# Altium PCB MDK_UltraZohm_Adapter.PcbDoc
Units mm, origin at the board's own origin, x right, y up, seen from the top; angles counter-clockwise.
Board outline 65 x 43.95 mm, 2 copper layers (Top Layer, Bottom Layer), stack 0.212 mm thick; 42 components, 186 nets, 360 pads, 118 vias.
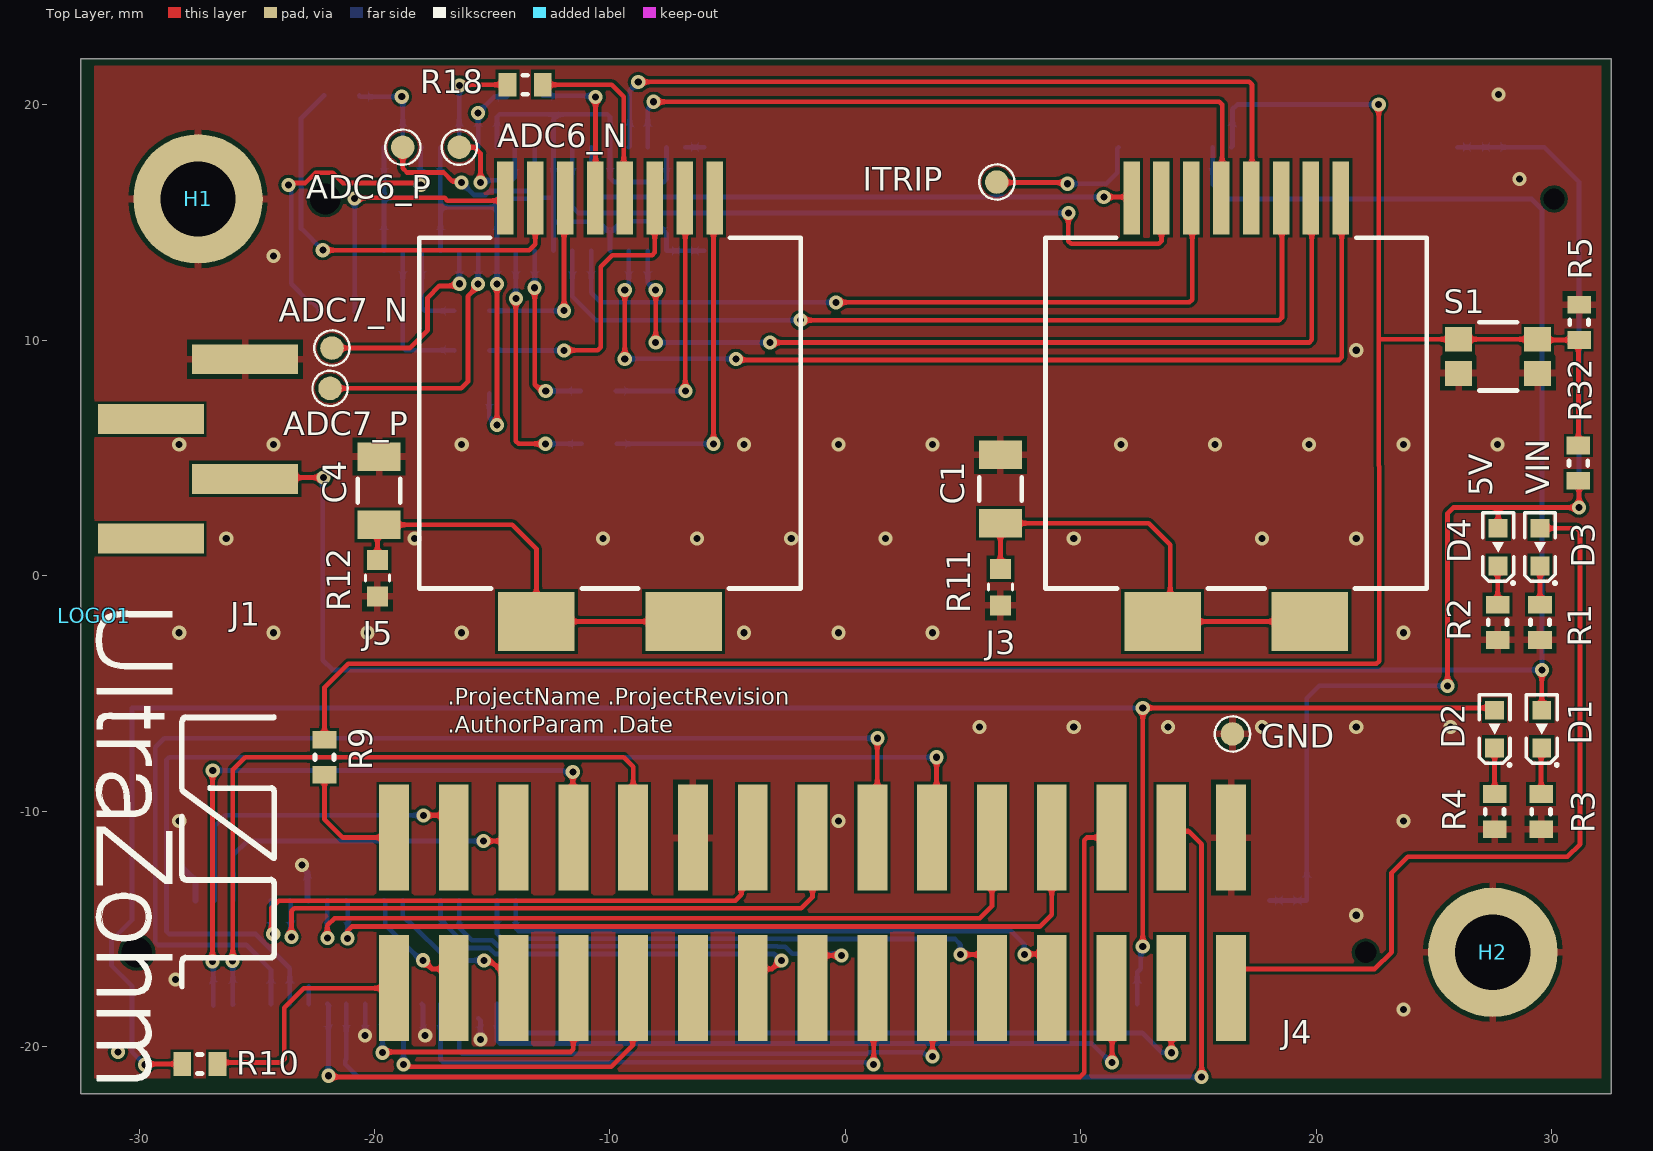
[diagram p0: Top Layer view]
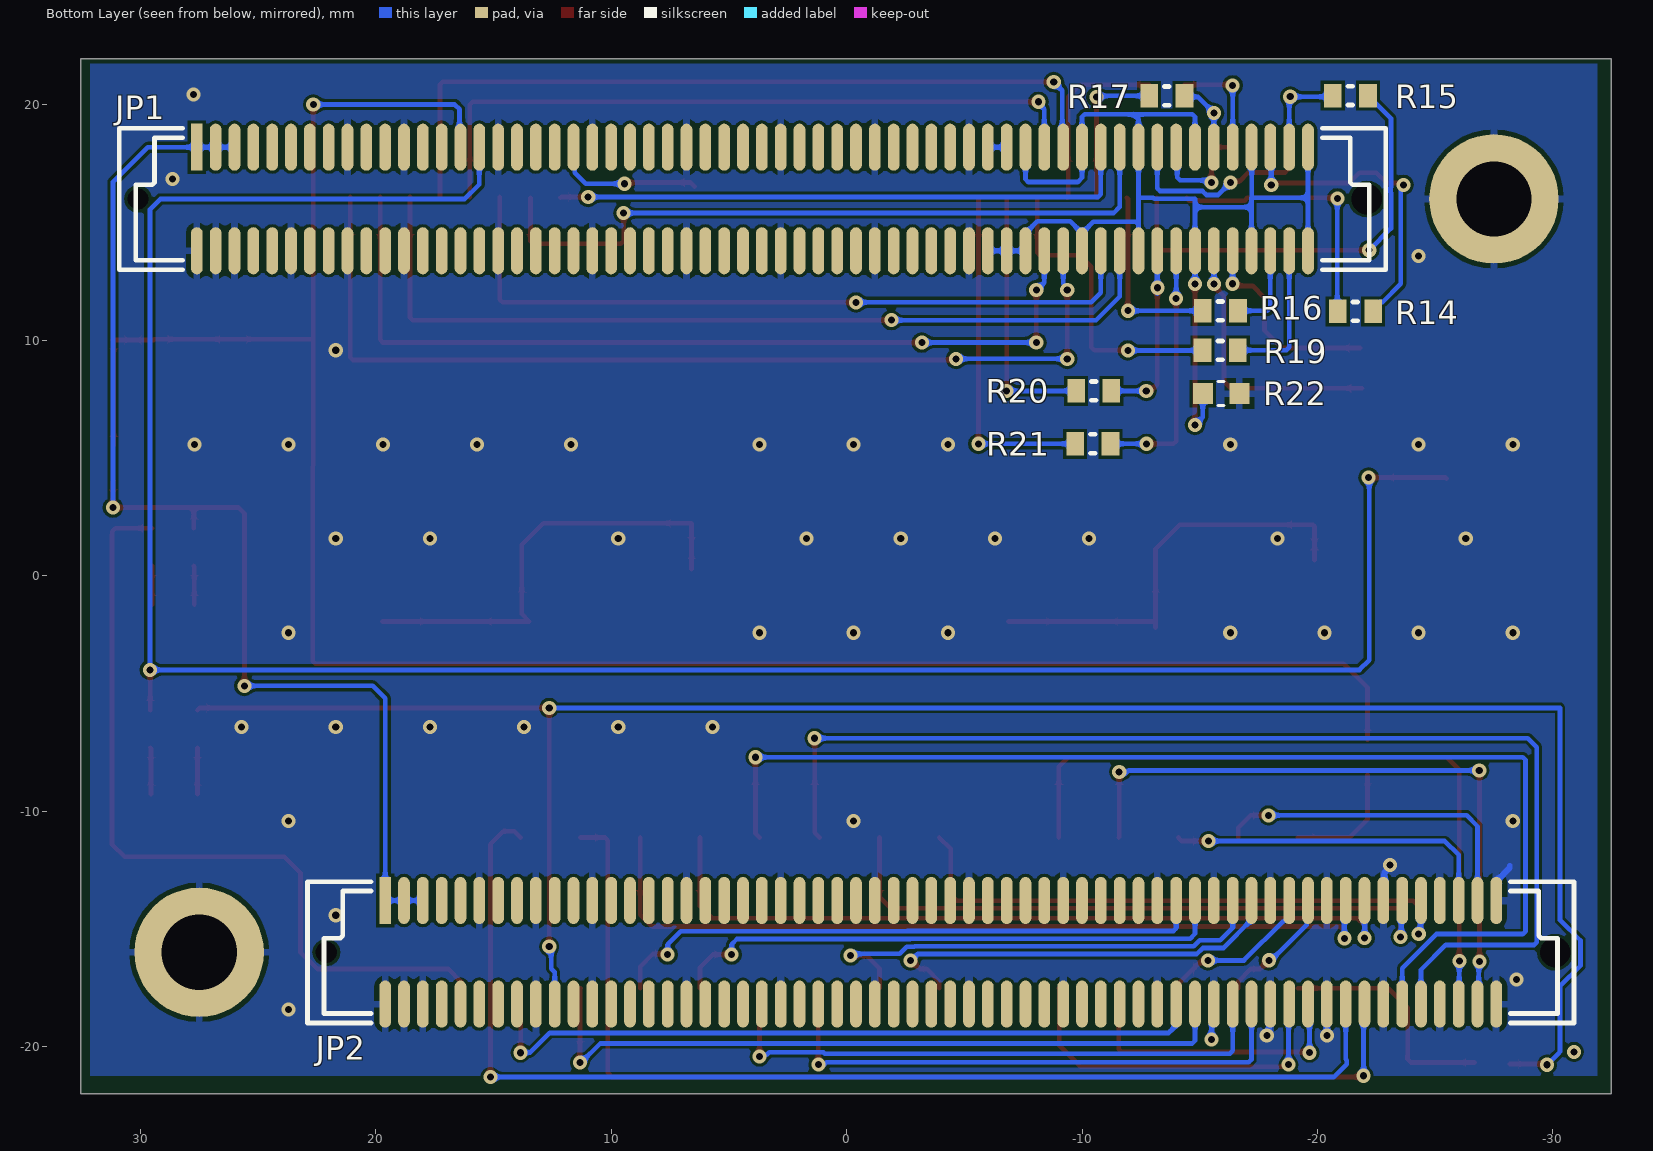
[diagram p1: Bottom Layer view, seen from below]
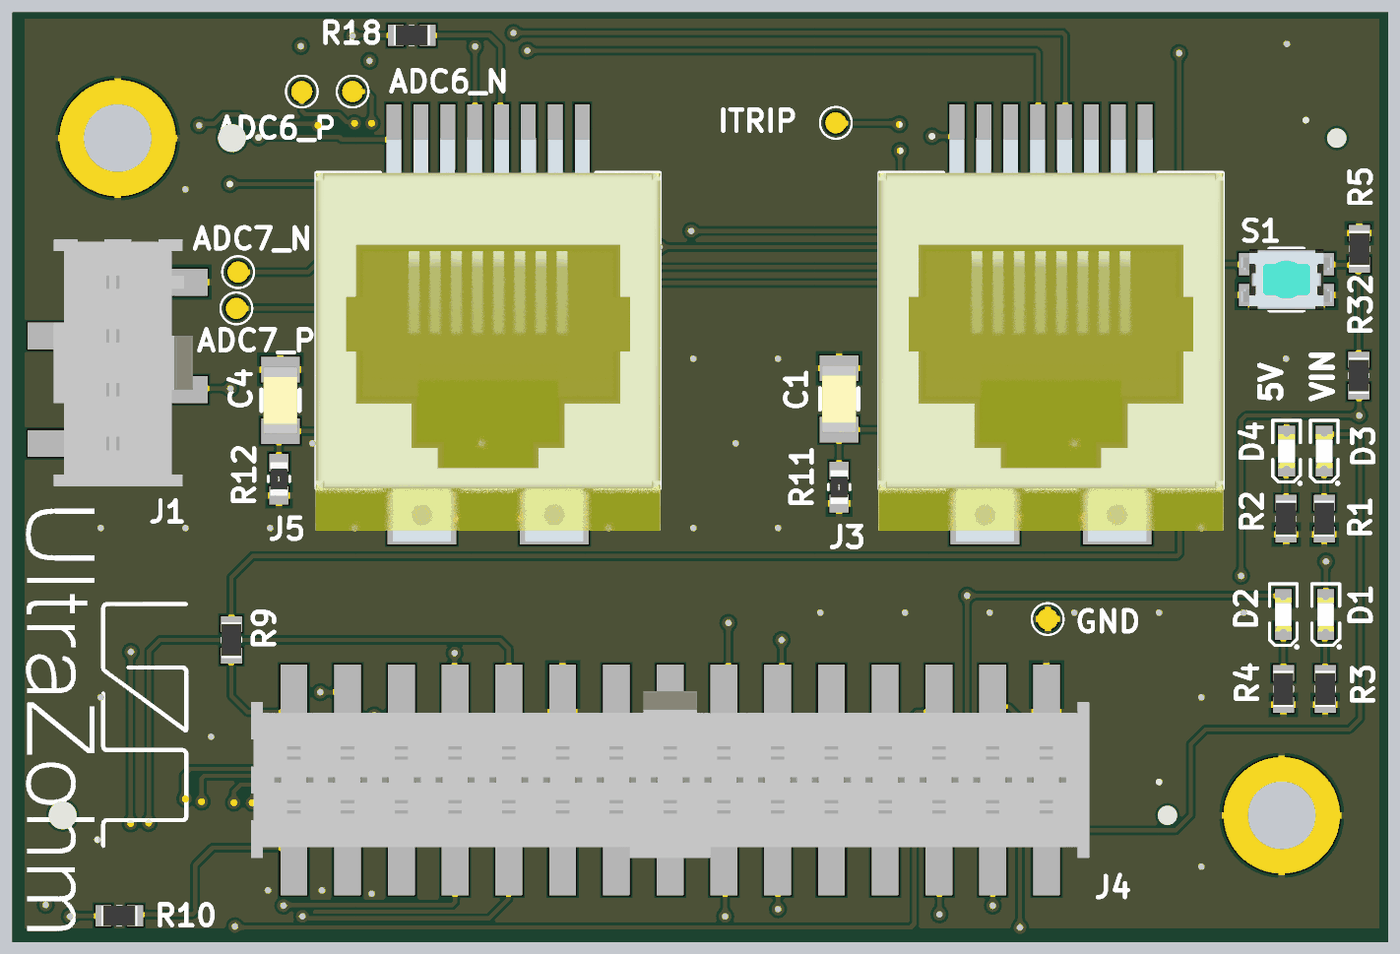
[diagram p2: 3D render of the assembled board from above, using the file's embedded part models]
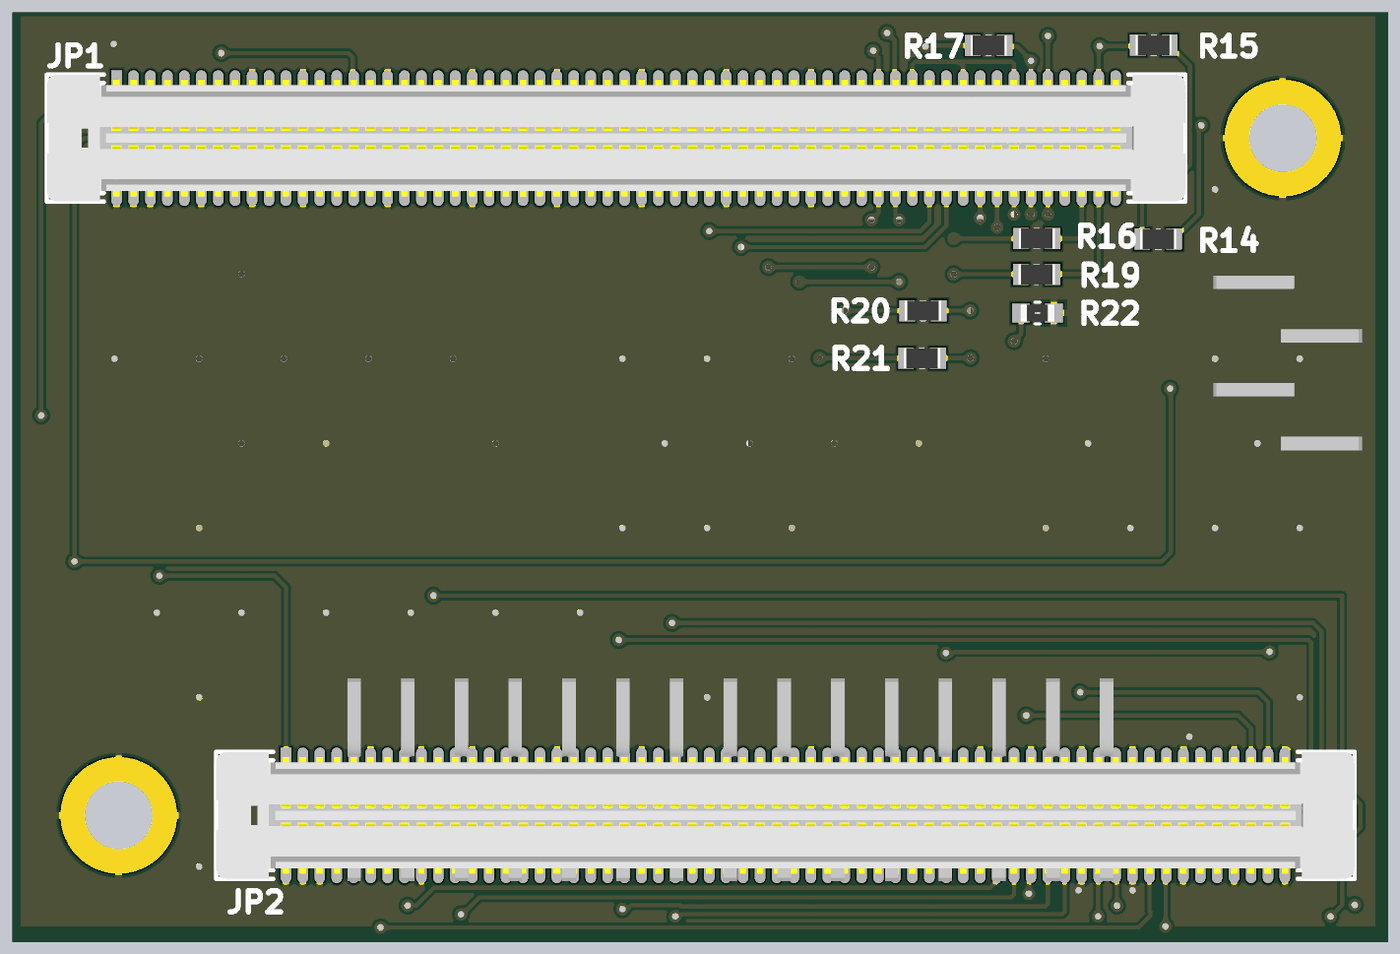
[diagram p3: 3D render of the assembled board from below, using the file's embedded part models]

## Layer stack, top to bottom
Top Solder: solder mask 0.0254, SM-001, Dk 4
Top Layer: signal copper 0.035
Dielectric 1: prepreg 0.0711, PP-006, Dk 4.1
Dielectric 2: prepreg 0.0711, PP-006, Dk 4.1
Bottom Layer: signal copper 0.035
Bottom Solder: solder mask 0.0254, SM-001, Dk 4

## Board outline
-32.475,-22 32.525,-22 32.525,21.95 -32.475,21.95

## Design rules (kind name [scope] priority, off if disabled: settings)
Clearance [All] p1: gap=0.127 ignorepadtopadclearanceinfootprint=FALSE
ComponentClearance [All] p1: gap=0 collisioncheckmode=3 verticalgap=0 showdistances=FALSE
DiffPairsRouting Ethernet [InDifferentialPairClass('PHY_MDI')] p1: maxlimit=0.254 minlimit=0.127 mostfreqgap=0.127 toplayer_minwidth=0.088 toplayer_maxwidth=0.166 toplayer_prefwidth=0.166 bottomlayer_minwidth=0.088 bottomlayer_maxwidth=0.166 bottomlayer_prefwidth=0.166 impedanceprofiledriven=TRUE impedanceprofileid={48390CE8-FC78-4463-8F5A-BD18E3EE15AE} impedanceprofilevalue=90.000000 maxuncoupledlength=12.7
DiffPairsRouting USB_HS [InDifferentialPair('USB_D')] p2: maxlimit=0.254 minlimit=0.127 mostfreqgap=0.127 toplayer_minwidth=0.088 toplayer_maxwidth=0.166 toplayer_prefwidth=0.166 bottomlayer_minwidth=0.088 bottomlayer_maxwidth=0.166 bottomlayer_prefwidth=0.166 impedanceprofiledriven=TRUE impedanceprofileid={48390CE8-FC78-4463-8F5A-BD18E3EE15AE} impedanceprofilevalue=90.000000 maxuncoupledlength=12.7
DiffPairsRouting USB_HS_OTG [InDifferentialPair('USB_OTG_D')] p3: maxlimit=0.254 minlimit=0.127 mostfreqgap=0.127 toplayer_minwidth=0.088 toplayer_maxwidth=0.166 toplayer_prefwidth=0.166 bottomlayer_minwidth=0.088 bottomlayer_maxwidth=0.166 bottomlayer_prefwidth=0.166 impedanceprofiledriven=TRUE impedanceprofileid={48390CE8-FC78-4463-8F5A-BD18E3EE15AE} impedanceprofilevalue=90.000000 maxuncoupledlength=12.7
DiffPairsRouting [All] p4: maxlimit=0.3 minlimit=0.127 mostfreqgap=0.2 toplayer_minwidth=0.127 toplayer_maxwidth=0.4 toplayer_prefwidth=0.2 bottomlayer_minwidth=0.127 bottomlayer_maxwidth=0.4 bottomlayer_prefwidth=0.2 maxuncoupledlength=12.7
HoleSize [All] p1: absolutevalues=TRUE maxlimit=10 minlimit=0.2 maxpercent=80.000 minpercent=20.000
HoleToHoleClearance [All] p1: gap=0.4 allowstackedmicrovias=TRUE
MatchedLengths USB_HS_LEN [InDifferentialPair('USB_D')] p1: tolerance=0.05 checknetsindiffpair=TRUE checkdiffpairvsdiffpair=FALSE checkxsignals=FALSE checkothers=FALSE
MatchedLengths USB_HS_OTG_LEN [InNetClass('HS_USB_OTG')] p2: tolerance=0.05 checknetsindiffpair=TRUE checkdiffpairvsdiffpair=FALSE checkxsignals=FALSE checkothers=FALSE
MatchedLengths PS_SDIO [InNetClass('SD_card_PS')] p3: tolerance=2.54 checknetsindiffpair=FALSE checkdiffpairvsdiffpair=TRUE checkxsignals=TRUE checkothers=TRUE
MatchedLengths SDcard [InNetClass('SD_card_IO')] p4: tolerance=2.54 checknetsindiffpair=FALSE checkdiffpairvsdiffpair=TRUE checkxsignals=TRUE checkothers=TRUE
MinimumAnnularRing [All] p1: minimumring=0.15
MinimumSolderMaskSliver [All] p1: minsoldermaskwidth=0.15
PlaneClearance [All] p1: clearance=0.3
PlaneConnect [All] p1: pad.planeconnectstyle=Relief pad.reliefexpansion=0.508 pad.reliefentries=4 pad.reliefconductorwidth=0.3 pad.reliefairgap=0.2 via.planeconnectstyle=Direct via.reliefexpansion=0.508 via.reliefentries=4 via.reliefconductorwidth=0.3 via.reliefairgap=0.2
PolygonConnect [All] p1: thpad.connectstyle=Relief thpad.reliefconductorwidth=0.3 thpad.reliefentries=4 thpad.polygonreliefangle="90 Angle" thpad.airgapwidth=0.2 smdpad.connectstyle=Relief smdpad.reliefconductorwidth=0.3 smdpad.reliefentries=4 smdpad.polygonreliefangle="90 Angle" smdpad.airgapwidth=0.2 via.connectstyle=Direct via.reliefconductorwidth=0.3 via.reliefentries=4 via.polygonreliefangle="90 Angle" via.airgapwidth=0.2
RoutingVias [All] p1: holewidth=0.3 width=0.6 viastyle="Through Hole" minholewidth=0.2 minwidth=0.5 maxholewidth=2 maxwidth=4
SolderMaskExpansion [All] p1: expansion=0.075 istentingtop=FALSE
Width SDIO_PS [InNetClass('SD_card_PS')] p1: maxlimit=0.236 minlimit=0.099 preferedwidth=0.236 impedanceprofiledriven=TRUE impedanceprofileid={C644CFC2-EE9D-4392-979E-DED02F681A3F} impedanceprofilevalue=50.000000 minimp=50.000000 maximp=50.000000 favimp=50.000000
Width SDIO [InNetClass('SD_card_IO')] p2: maxlimit=0.236 minlimit=0.099 preferedwidth=0.236 impedanceprofiledriven=TRUE impedanceprofileid={C644CFC2-EE9D-4392-979E-DED02F681A3F} impedanceprofilevalue=50.000000 minimp=50.000000 maximp=50.000000 favimp=50.000000
Width [All] p3: maxlimit=20 minlimit=0.127 preferedwidth=0.25
23 further rules are at their usual default settings.

## Classes and differential pairs
component class Analog_Signals: ADC6_N ADC6_P ADC7_N ADC7_P C1 C4 J3 J5 R11 R12 R14 R15 R16 R17 R18 R19 R20 R21
component class Interface_Board_Top: H1 H2 LOGO1
component class U_Powerboard_Conector_1: GND ITRIP JP1 R22
component class Digital_Signals: J1 J4 R9 R10
component class U_LED_Buttons: D1 D2 D3 D4 R1 R2 R3 R4 R5 R32 S1
component class U_Powerboard_Conector_2: 3 JP2
differential pair USB_OTG_D: +USB_OTG_D_P -USB_OTG_D_N
differential pair PHY_MDI3: +PHY_MDI3_P -PHY_MDI3_N
differential pair PHY_MDI2: +PHY_MDI2_P -PHY_MDI2_N
differential pair PHY_MDI1: +PHY_MDI1_P -PHY_MDI1_N
differential pair PHY_MDI0: +PHY_MDI0_P -PHY_MDI0_N
differential pair B35_L23: +B35_L23_P -B35_L23_N
differential pair B35_L22: +B35_L22_P -B35_L22_N
differential pair B35_L21: +B35_L21_P -B35_L21_N
differential pair B35_L20: +B35_L20_P -B35_L20_N
differential pair B35_L19: +B35_L19_P -B35_L19_N
differential pair B35_L18: +B35_L18_P -B35_L18_N
differential pair B35_L17: +B35_L17_P -B35_L17_N
differential pair B35_L16: +B35_L16_P -B35_L16_N
differential pair B35_L14: +B35_L14_P -B35_L14_N
differential pair B35_L13: +B35_L13_P -B35_L13_N
differential pair B35_L12: +B35_L12_P -B35_L12_N
differential pair B35_L11: +B35_L11_P -B35_L11_N
differential pair B35_L10: +B35_L10_P -B35_L10_N
differential pair B35_L9: +B35_L9_P -B35_L9_N
differential pair B35_L8: +B35_L8_P -B35_L8_N
differential pair B35_L7: +B35_L7_P -B35_L7_N
differential pair B35_L6: +B35_L6_P -B35_L6_N
differential pair B35_L5: +B35_L5_P -B35_L5_N
differential pair B35_L4: +B35_L4_P -B35_L4_N
differential pair B35_L3: +B35_L3_P -B35_L3_N
differential pair B35_L2: +B35_L2_P -B35_L2_N
differential pair B35_L1: +B35_L1_P -B35_L1_N
differential pair B13_L24: +B13_L24_P -B13_L24_N
differential pair B13_L23: +B13_L23_P -B13_L23_N
differential pair B13_L22: +B13_L22_P -B13_L22_N
differential pair B13_L21: +B13_L21_P -B13_L21_N
differential pair B13_L20: +B13_L20_P -B13_L20_N
differential pair B13_L19: +B13_L19_P -B13_L19_N
differential pair B13_L18: +B13_L18_P -B13_L18_N
differential pair B13_L17: +B13_L17_P -B13_L17_N
differential pair B13_L16: +B13_L16_P -B13_L16_N
differential pair B13_L15: +B13_L15_P -B13_L15_N
differential pair B13_L14: +B13_L14_P -B13_L14_N
differential pair B13_L13: +B13_L13_P -B13_L13_N
differential pair B13_L12: +B13_L12_P -B13_L12_N
differential pair B13_L11: +B13_L11_P -B13_L11_N
differential pair B13_L10: +B13_L10_P -B13_L10_N
differential pair B13_L9: +B13_L9_P -B13_L9_N
differential pair B13_L8: +B13_L8_P -B13_L8_N
differential pair B13_L7: +B13_L7_P -B13_L7_N
differential pair B13_L6: +B13_L6_P -B13_L6_N
differential pair B13_L5: +B13_L5_P -B13_L5_N
differential pair B13_L4: +B13_L4_P -B13_L4_N
differential pair B13_L3: +B13_L3_P -B13_L3_N
differential pair B13_L2: +B13_L2_P -B13_L2_N
differential pair B13_L1: +B13_L1_P -B13_L1_N
differential pair ADC10: +ADC10_P -ADC10_N
differential pair ADC8: +ADC8_P -ADC8_N
differential pair ADC6: +ADC6_P -ADC6_N
differential pair ADC4: +ADC4_P -ADC4_N
differential pair ADC2: +ADC2_P -ADC2_N

## Components (designator, comment, footprint, x,y, rotation, side; value= is the part's Value field where it differs from the comment)
ADC6_N "" TP_1mm -16.4,18.2 r90 top value="Testpoint 1mm"
ADC6_P "" TP_1mm -18.8,18.2 r0 top value="Testpoint 1mm"
ADC7_N "" TP_1mm -21.81,9.669 r90 top value="Testpoint 1mm"
ADC7_P "" TP_1mm -21.892,7.954 r90 top value="Testpoint 1mm"
C1 "100pF" C_1206 6.585,3.676 r90 top
C4 "100pF" C_1206 -19.81,3.61 r90 top
D1 "150060RS75000" WL-SMCW_0603 29.582,-6.516 r90 top
D2 "150060RS75000" WL-SMCW_0603 27.576,-6.516 r90 top
D3 "150060RS75000" WL-SMCW_0603 29.506,1.21 r90 top
D4 "150060RS75000" WL-SMCW_0603 27.726,1.21 r90 top
GND "" TP_1mm 16.442,-6.725 r90 top value="Testpoint 1mm"
H1 "Mount.Hole 3.2mm" MHole3_2mm_No_Screw -27.5,16 r0 top locked
H2 "Mount.Hole 3.2mm" MHole3_2mm_No_Screw 27.5,-16 r0 top locked
ITRIP "" TP_1mm 6.432,16.72 r90 top value="Testpoint 1mm"
J1 "IPL1-104-02-L-S-K" IPL1-104-02-L-S-K -27.5,5.381 r90 top
J3 "634108185321" 634108185321 16.6,6.9 r0 top
J4 "IPL1-115-02-L-D-K" IPL1-115-02-L-D-K -1.397,-14.325 r180 top
J5 "634108185321" 634108185321 -10,6.9 r0 top locked
JP1 "10139085-121422LF" 10139085-121422LF 4,16 r90 bottom locked
JP2 "10139085-121422LF" 10139085-121422LF -4,-16 r90 bottom locked
LOGO1 "UZ Logo" UZ_Logo_tiny -31.9,-1.71 r270 top
ProjectName1 "Project Name, Rev" ID_PROJECTREV -16.261,-43.893 r0 top
R1 "1k" RESC0603 29.506,-1.981 r90 top
R2 "1k" RESC0603 27.706,-1.981 r90 top
R3 "1k" RESC0603 29.552,-10.027 r90 top
R4 "1k" RESC0603 27.576,-10.027 r90 top
R5 "10k" RESC0603 31.164,10.76 r270 top
R9 "0R" RESC0603 -22.128,-7.715 r90 top
R10 "0R" RESC0603 -27.424,-20.745 r0 top
R11 "0R" RESC1608X06N 6.585,-0.49 r90 top
R12 "0R" RESC1608X06N -19.88,-0.109 r90 top
R14 "0R" RESC0603 -21.615,11.223 r0 bottom
R15 "0R" RESC0603 -21.4,20.393 r180 bottom
R16 "0R" RESC0603 -15.875,11.249 r0 bottom
R17 "0R" RESC0603 -13.602,20.379 r0 bottom
R18 "0R" RESC0603 -13.602,20.854 r0 top
R19 "0R" RESC0603 -15.872,9.567 r0 bottom
R20 "0R" RESC0603 -10.499,7.846 r0 bottom
R21 "0R" RESC0603 -10.459,5.6 r0 bottom
R22 "0R" RESC1608X06N -15.908,7.733 r0 bottom
R32 "39k" RESC0603 31.137,4.776 r270 top
S1 "434153017835" 434153017835 27.726,9.315 r0 top
